# Altium PCB DAC_Sources.PcbDoc (part 3 of 9) (continued)
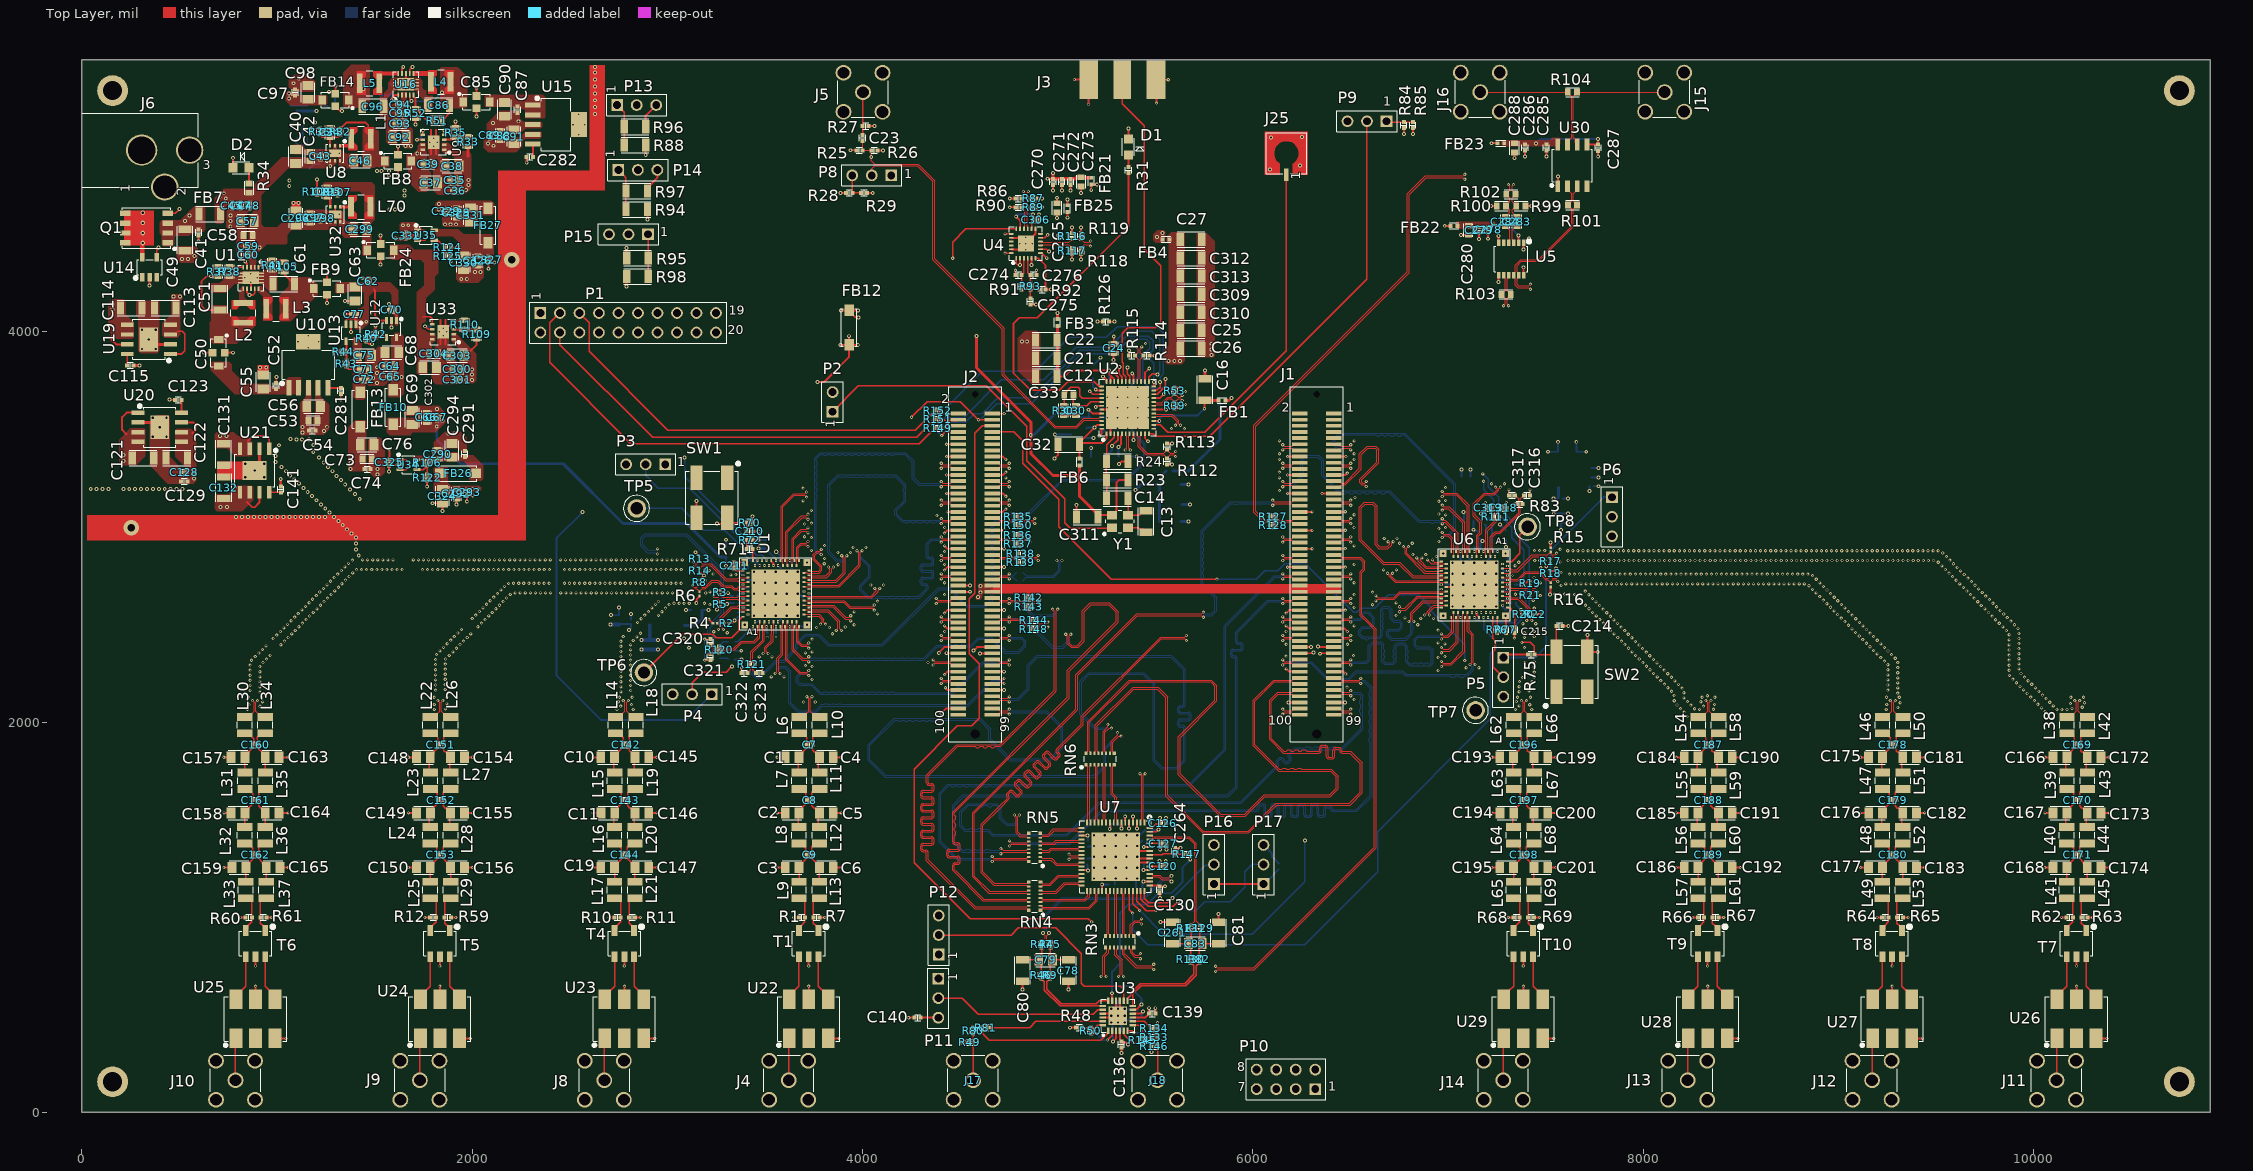
[diagram p0: Top Layer view]
## Nets (pads, with @x,y where several pads share a name; then routed paths per layer and width w, separated by ;. In a path a pad name is that pad's centre, name@x,y a point inside that pad or via, vN(x,y) a via of type N, cw(c..) or ccw(c..) an arc to the next point about the centre after c; other vN are vias at no path point) (continued)
  Bottom Layer w5: v1(4751.85,2129.81) 4760.35,2121.31 4795.68,2121.31 4845.47,2171.1 4845.47,2292.61 4895.13,2342.27 5582.59,2342.27 5654.39,2270.46 5654.39,2182.6 5654.39,2090.27 cw(c5640.39,2090.27) 5640.39,2076.27 5629.39,2076.27 ccw(c5629.39,2071.27) 5624.39,2071.27 5624.39,2056.27 ccw(c5629.39,2056.27) 5629.39,2051.27 5670.39,2051.27 cw(c5670.39,2037.27) 5684.39,2037.27 5684.39,2022.27 cw(c5670.39,2022.27) 5670.39,2008.27 5629.39,2008.27 ccw(c5629.39,2003.27) 5624.39,2003.27 5624.39,1988.27 ccw(c5629.39,1988.27) 5629.39,1983.27 5640.39,1983.27 cw(c5640.39,1969.27) 5654.39,1969.27 5654.39,1962.27 5654.39,1802.22 5612.76,1760.58 5531.8,1760.58 5489.43,1802.96 5489.43,2192.97 5460.17,2222.22 5437.15,2245.24 5162.95,2245.24 5123.43,2205.71 5123.43,2044.42 5195.67,1972.18 5253.73,1972.18 5257.21,1975.66 v1(5257.21,1987.68)
ADC_D2_N: J1.94 RN6.13 | length 3437.3
  Top Layer w5: RN6.13@5208.31,1840.55 5208.31,1845.47 5202.96,1850.81 5202.96,1981.97 5390.29,2169.29 5510.63,2169.29 5553.99,2125.93 5553.99,1621.47 5742.39,1433.07 5979.66,1433.07 6089.25,1542.67 6121.44,1574.86 6498.22,1574.86 6503.49,1580.13 6560.78,1637.43 6560.78,1791 6506.27,1845.52 6501,1850.79 6476.38,1850.79 6458.47,1850.79 cw(c6458.47,1855.79) 6453.47,1855.79 6453.47,1856.28 ccw(c6439.47,1856.28) 6439.47,1870.28 6424.47,1870.28 ccw(c6424.47,1856.28) 6410.47,1856.28 6410.47,1825.79 cw(c6405.47,1825.79) 6405.47,1820.79 6390.47,1820.79 cw(c6390.47,1825.79) 6385.47,1825.79 6385.47,1866.79 ccw(c6371.47,1866.79) 6371.47,1880.79 6356.47,1880.79 ccw(c6356.47,1866.79) 6342.47,1866.79 6342.47,1855.79 cw(c6337.47,1855.79) 6337.47,1850.79 6330.47,1850.79 6275.2,1850.79 6268.5,1857.48 6255.51,1857.48 6248.82,1850.79 6236.61,1850.79 6229.92,1857.48 6216.93,1857.48 6210.24,1850.79 6198.03,1850.79 6191.34,1857.48 6178.35,1857.48 6171.65,1850.79 6159.45,1850.79 6094.88,1915.35 6094.88,2108.27 6130.42,2143.81 6201.34,2143.81 6204.27,2140.88 6204.27,2139.9 6211.61,2132.56 J1.94@6241.14,2132.56
ADC_D2_P: J1.92 RN6.14 | length 3435.5
  Top Layer w5: RN6.14@5188.62,1840.55 5188.62,1845.47 5193.96,1850.81 5193.96,1985.7 5386.56,2178.29 5514.36,2178.29 5562.99,2129.66 5562.99,1625.2 5746.12,1442.07 5975.93,1442.07 6117.72,1583.86 6494.49,1583.86 6551.78,1641.16 6551.78,1787.27 6497.27,1841.79 6476.38,1841.79 6458.47,1841.79 cw(c6458.47,1855.79) 6444.47,1855.79 6444.47,1856.28 ccw(c6439.47,1856.28) 6439.47,1861.28 6424.47,1861.28 ccw(c6424.47,1856.28) 6419.47,1856.28 6419.47,1825.79 cw(c6405.47,1825.79) 6405.47,1811.79 6390.47,1811.79 cw(c6390.47,1825.79) 6376.47,1825.79 6376.47,1866.79 ccw(c6371.47,1866.79) 6371.47,1871.79 6356.47,1871.79 ccw(c6356.47,1866.79) 6351.47,1866.79 6351.47,1855.79 cw(c6337.47,1855.79) 6337.47,1841.79 6330.47,1841.79 6155.72,1841.79 6085.88,1911.63 6085.88,2112 6126.69,2152.81 6201.34,2152.81 6204.27,2155.74 6204.27,2156.71 6211.61,2164.06 J1.92@6241.14,2164.06
ADC_D3_N: J1.90 RN6.15 | length 3468.6
  Top Layer w5: RN6.15@5168.94,1840.55 5168.94,1845.47 5166.52,1847.89 5165.8,1847.89 5162.87,1850.82 5162.87,1998.57 5371.1,2206.8 5782.61,2206.8 5788.43,2200.98 5805.87,2183.54 5805.87,2112.49 5618.44,1925.07 5618.44,1731.74 5832.02,1518.17 5961.2,1518.17 6061.59,1618.56 6396.88,1618.56 6402.15,1623.83 6436.67,1658.35 6436.67,1723.91 6402.63,1757.95 6252.05,1757.95 6245.35,1764.65 6232.36,1764.65 6225.67,1757.95 6213.46,1757.95 6206.77,1764.65 6193.78,1764.65 6187.09,1757.95 6174.88,1757.95 6168.19,1764.65 6155.2,1764.65 6148.5,1757.95 6136.3,1757.95 6011.13,1883.13 6011.13,2107.7 6110.22,2206.8 6201.34,2206.8 6204.27,2203.87 6204.27,2202.89 6211.61,2195.55 J1.90@6241.14,2195.55
ADC_D3_P: J1.88 RN6.16 | length 3467.3
  Top Layer w5: RN6.16@5145.79,1840.55 5145.79,1842.03 5153.87,1850.11 5153.87,2002.3 5367.37,2215.8 5751.53,2215.8 5786.34,2215.8 5814.87,2187.27 5814.87,2108.76 5627.44,1921.34 5627.44,1735.47 5835.75,1527.17 5957.47,1527.17 6057.86,1627.56 6393.15,1627.56 6427.67,1662.07 6427.67,1720.19 6398.9,1748.95 6132.57,1748.95 6004.76,1876.76 6002.13,1879.4 6002.13,2111.43 6106.5,2215.8 6201.34,2215.8 6204.27,2218.73 6204.27,2219.7 6211.61,2227.05 J1.88@6241.14,2227.05
ADC_D4_N: J1.93 RN5.9 | length 3380.2
  Top Layer w5: v1(4804.17,1524.38) 4795.67,1515.88 4795.67,1437.33 4810.06,1422.94 4842.01,1422.94 4850.1,1431.02 RN5.9@4851.57,1431.02 ; J1.93@6414.37,2132.56 6443.9,2132.56 6451.24,2139.9 6451.24,2140.22 6454.83,2143.81 6493.35,2143.81 v1(6501.85,2135.31)
  Bottom Layer w5: v1@4806.17,1526.38 4795.67,1515.88 4795.67,1485.64 4780.55,1470.53 4738,1470.53 4715.68,1492.85 4702.02,1506.51 4702.02,1556.24 4698.82,1559.45 4684.25,1574.02 4666.98,1574.02 4660.63,1567.66 4645.33,1567.66 4638.98,1574.02 4621.71,1574.02 4615.35,1567.66 4600.06,1567.66 4593.7,1574.02 4544.49,1574.02 4508.27,1537.8 4508.27,1469.69 4527.17,1450.79 4544.43,1450.79 4550.79,1457.14 4566.09,1457.14 4572.44,1450.79 4589.71,1450.79 4596.06,1457.14 4611.36,1457.14 4617.72,1450.79 4644.46,1450.79 4668.48,1426.77 5046.06,1426.77 5211.97,1592.67 5937.95,1592.67 6068.31,1723.03 6121.92,1776.64 ccw(c6118.38,1780.18) 6121.92,1783.71 cw(c6131.82,1793.61) 6121.88,1803.47 6132.56,1814.16 cw(c6142.42,1804.22) 6152.32,1814.12 6170.06,1796.38 ccw(c6173.6,1799.92) 6177.13,1796.38 6187.74,1806.99 ccw(c6184.2,1810.52) 6187.74,1814.06 6183.46,1818.33 cw(c6193.34,1828.26) 6183.44,1838.16 6188.39,1843.11 6208.45,1863.18 6213.72,1868.45 6264.57,1868.45 6270.92,1874.8 6286.22,1874.8 6292.57,1868.45 6309.84,1868.45 6316.2,1874.8 6331.5,1874.8 6337.85,1868.45 6355.12,1868.45 6361.47,1874.8 6376.77,1874.8 6383.13,1868.45 6400.39,1868.45 6406.75,1874.8 6422.05,1874.8 6428.4,1868.45 6454.67,1868.45 6553.54,1967.32 6553.54,1998.53 6547.19,2004.89 6547.19,2020.19 6553.54,2026.54 6553.54,2043.81 6547.19,2050.16 6547.19,2065.46 6553.54,2071.81 6553.54,2089.08 6547.19,2095.44 6547.19,2110.74 6553.54,2117.09 6553.54,2134.36 6544.09,2143.81 6510.35,2143.81 v1(6501.85,2135.31)
ADC_D4_P: J1.91 RN5.10 | length 3381.9
  Top Layer w5: v1(4778.17,1524.38) 4786.67,1515.88 4786.67,1433.61 4806.34,1413.94 4841.3,1413.94 4844.23,1411.01 4844.23,1410.3 4846.65,1407.87 RN5.10@4851.57,1407.87 ; J1.91@6414.37,2164.06 6443.9,2164.06 6451.24,2156.71 6451.24,2155.74 6454.17,2152.81 6493.35,2152.81 v1(6501.85,2161.31)
  Bottom Layer w5: v1@4776.17,1526.38 4786.67,1515.88 4786.67,1489.37 4776.83,1479.53 4741.73,1479.53 4722.05,1499.21 4722.05,1499.83 4711.02,1510.85 4711.02,1559.97 4687.98,1583.02 4540.76,1583.02 4499.27,1541.52 4499.27,1465.96 4520.8,1444.42 4523.44,1441.79 4640.73,1441.79 4664.75,1417.77 5049.79,1417.77 5215.69,1583.67 5941.68,1583.67 6074.67,1716.67 6128.28,1770.28 ccw(c6118.38,1780.18) 6128.28,1790.08 cw(c6131.82,1793.61) 6128.28,1797.15 6138.89,1807.76 cw(c6142.42,1804.22) 6145.96,1807.76 6163.7,1790.02 ccw(c6173.6,1799.92) 6183.46,1789.98 6194.14,1800.66 ccw(c6184.2,1810.52) 6194.1,1820.42 6189.8,1824.73 cw(c6193.34,1828.26) 6189.8,1831.8 6194.75,1836.75 6217.45,1859.45 6458.4,1859.45 6461.03,1862.08 6562.54,1963.59 6562.54,2138.09 6547.82,2152.81 6510.35,2152.81 v1(6501.85,2161.31)
ADC_D5_N: J1.89 RN5.11 | length 3388.5
  Top Layer w5: v1(4753.54,1391.35) 4762.04,1382.85 4841.31,1382.85 4846.65,1388.19 RN5.11@4851.57,1388.19 ; J1.89@6414.37,2195.55 6443.9,2195.55 6451.24,2202.89 6451.24,2204 6454.17,2206.93 6544.65,2206.93 v1(6553.15,2198.43)
  Bottom Layer w5: v1(4753.54,1391.35) 4762.04,1382.85 5058.04,1382.85 5216.33,1541.13 5224.23,1549.04 5226.87,1551.67 6011.65,1551.67 6018.65,1551.67 ccw(c6018.65,1556.67) 6023.65,1556.67 6023.65,1567.67 cw(c6037.65,1567.67) 6037.65,1581.67 6052.65,1581.67 cw(c6052.65,1567.67) 6066.65,1567.67 6066.65,1526.67 ccw(c6071.65,1526.67) 6071.65,1521.67 6086.65,1521.67 ccw(c6086.65,1526.67) 6091.65,1526.67 6091.65,1567.67 cw(c6105.65,1567.67) 6105.65,1581.67 6120.65,1581.67 cw(c6120.65,1567.67) 6134.65,1567.67 6134.65,1526.67 ccw(c6139.65,1526.67) 6139.65,1521.67 6154.65,1521.67 ccw(c6154.65,1526.67) 6159.65,1526.67 6159.65,1567.67 cw(c6173.65,1567.67) 6173.65,1581.67 6188.65,1581.67 cw(c6188.65,1567.67) 6202.65,1567.67 6202.65,1526.67 ccw(c6207.65,1526.67) 6207.65,1521.67 6222.65,1521.67 ccw(c6222.65,1526.67) 6227.65,1526.67 6227.65,1567.67 cw(c6241.65,1567.67) 6241.65,1581.67 6256.65,1581.67 cw(c6256.65,1567.67) 6270.65,1567.67 6270.65,1526.67 ccw(c6275.65,1526.67) 6275.65,1521.67 6290.65,1521.67 ccw(c6290.65,1526.67) 6295.65,1526.67 6295.65,1567.67 cw(c6309.65,1567.67) 6309.65,1581.67 6324.65,1581.67 cw(c6324.65,1567.67) 6338.65,1567.67 6338.65,1527.88 ccw(c6343.65,1527.88) 6343.65,1522.88 6358.65,1522.88 ccw(c6358.65,1527.88) 6363.65,1527.88 6363.65,1556.67 cw(c6377.65,1556.67) 6377.65,1570.67 6392.65,1570.67 cw(c6392.65,1556.67) 6406.65,1556.67 ccw(c6411.65,1556.67) 6411.65,1551.67 6483.58,1551.67 6528.84,1551.67 6602.36,1625.2 6602.36,1894.11 6596.06,1900.41 6596.06,1915.37 6602.36,1921.67 6602.36,1940.8 6596.06,1947.1 6596.06,1962.06 6602.36,1968.36 6602.36,1987.49 6596.06,1993.79 6596.06,2008.75 6602.36,2015.05 6602.36,2034.18 6596.06,2040.48 6596.06,2055.44 6602.36,2061.74 6602.36,2080.87 6596.06,2087.17 6596.06,2102.13 6602.36,2108.43 6602.36,2127.56 6596.06,2133.86 6596.06,2148.82 6602.36,2155.12 6602.36,2174.25 6569.69,2206.93 6561.65,2206.93 v1(6553.15,2198.43)
ADC_D5_P: J1.87 RN5.12 | length 3386.8
  Top Layer w5: v1(4753.54,1365.35) 4762.04,1373.85 4841.31,1373.85 4846.65,1368.5 RN5.12@4851.57,1368.5 ; J1.87@6414.37,2227.05 6443.9,2227.05 6451.24,2219.7 6451.24,2218.85 6454.17,2215.93 6544.65,2215.93 v1(6553.15,2224.43)
  Bottom Layer w5: v1(4753.54,1365.35) 4762.04,1373.85 5061.77,1373.85 5230.6,1542.67 6011.65,1542.67 6018.65,1542.67 ccw(c6018.65,1556.67) 6032.65,1556.67 6032.65,1567.67 cw(c6037.65,1567.67) 6037.65,1572.67 6052.65,1572.67 cw(c6052.65,1567.67) 6057.65,1567.67 6057.65,1526.67 ccw(c6071.65,1526.67) 6071.65,1512.67 6086.65,1512.67 ccw(c6086.65,1526.67) 6100.65,1526.67 6100.65,1567.67 cw(c6105.65,1567.67) 6105.65,1572.67 6120.65,1572.67 cw(c6120.65,1567.67) 6125.65,1567.67 6125.65,1526.67 ccw(c6139.65,1526.67) 6139.65,1512.67 6154.65,1512.67 ccw(c6154.65,1526.67) 6168.65,1526.67 6168.65,1567.67 cw(c6173.65,1567.67) 6173.65,1572.67 6188.65,1572.67 cw(c6188.65,1567.67) 6193.65,1567.67 6193.65,1526.67 ccw(c6207.65,1526.67) 6207.65,1512.67 6222.65,1512.67 ccw(c6222.65,1526.67) 6236.65,1526.67 6236.65,1567.67 cw(c6241.65,1567.67) 6241.65,1572.67 6256.65,1572.67 cw(c6256.65,1567.67) 6261.65,1567.67 6261.65,1526.67 ccw(c6275.65,1526.67) 6275.65,1512.67 6290.65,1512.67 ccw(c6290.65,1526.67) 6304.65,1526.67 6304.65,1567.67 cw(c6309.65,1567.67) 6309.65,1572.67 6324.65,1572.67 cw(c6324.65,1567.67) 6329.65,1567.67 6329.65,1527.88 ccw(c6343.65,1527.88) 6343.65,1513.88 6358.65,1513.88 ccw(c6358.65,1527.88) 6372.65,1527.88 6372.65,1556.67 cw(c6377.65,1556.67) 6377.65,1561.67 6392.65,1561.67 cw(c6392.65,1556.67) 6397.65,1556.67 ccw(c6411.65,1556.67) 6411.65,1542.67 6483.58,1542.67 6532.57,1542.67 6611.36,1621.47 6611.36,2000.13 6611.36,2177.98 6573.41,2215.93 6561.65,2215.93 v1(6553.15,2224.43)
ADC_D6_N: J1.64 RN5.13 | length 3387.3
  Top Layer w5: v1(4709.45,1351.98) 4712.43,1351.98 4720.93,1343.48 4841.31,1343.48 4846.65,1348.82 RN5.13@4851.57,1348.82 ; v1(6153.66,2607.75) 6162.16,2616.25 6200.68,2616.25 6204.27,2612.66 6204.27,2612.34 6211.61,2605 J1.64@6241.14,2605
  Bottom Layer w5: v1(4709.45,1351.98) 4700.95,1343.48 4651.6,1343.48 4646.85,1348.23 4633.46,1348.23 4628.71,1343.48 4617.35,1343.48 4613.02,1347.81 4599.63,1347.81 4595.3,1343.48 4583.1,1343.48 4578.77,1347.81 4565.38,1347.81 4561.05,1343.48 4548.85,1343.48 4544.52,1347.81 4531.13,1347.81 4526.8,1343.48 4514.59,1343.48 4470.47,1387.6 4470.47,1399.8 4474.8,1404.13 4474.8,1417.52 4470.47,1421.85 4470.47,1434.05 4474.8,1438.39 4474.8,1451.77 4470.47,1456.1 4470.47,1468.31 4474.8,1472.64 4474.8,1486.02 4470.47,1490.35 4470.47,1502.56 4474.8,1506.89 4474.8,1520.28 4470.47,1524.61 4470.47,1569.75 4518.65,1617.93 5873.96,1617.93 5915.2,1659.17 5920.47,1664.44 5920.47,2187.4 5920.47,2326.08 ccw(c5906.47,2326.08) 5906.47,2340.08 5899.96,2340.08 cw(c5899.96,2345.08) 5894.96,2345.08 5894.96,2360.08 cw(c5899.96,2360.08) 5899.96,2365.08 5936.47,2365.08 ccw(c5936.47,2379.08) 5950.47,2379.08 5950.47,2394.08 ccw(c5936.47,2394.08) 5936.47,2408.08 5925.47,2408.08 cw(c5925.47,2413.08) 5920.47,2413.08 5920.47,2420.08 5920.47,2457.98 6078.74,2616.25 6145.16,2616.25 v1(6153.66,2607.75)
ADC_D6_P: J1.62 RN5.14 | length 3388.4
  Top Layer w5: v1(4709.45,1325.98) 4712.43,1325.98 4720.93,1334.48 4841.31,1334.48 4846.65,1329.13 RN5.14@4851.57,1329.13 ; v1(6153.66,2633.75) 6162.16,2625.25 6201.34,2625.25 6204.27,2628.18 6204.27,2629.15 6211.61,2636.5 J1.62@6241.14,2636.5
  Bottom Layer w5: v1(4709.45,1325.98) 4700.95,1334.48 4510.87,1334.48 4461.47,1383.87 4461.47,1573.48 4514.92,1626.93 5870.23,1626.93 5911.47,1668.17 5911.47,2187.4 5911.47,2326.08 ccw(c5906.47,2326.08) 5906.47,2331.08 5899.96,2331.08 cw(c5899.96,2345.08) 5885.96,2345.08 5885.96,2360.08 cw(c5899.96,2360.08) 5899.96,2374.08 5936.47,2374.08 ccw(c5936.47,2379.08) 5941.47,2379.08 5941.47,2394.08 ccw(c5936.47,2394.08) 5936.47,2399.08 5925.47,2399.08 cw(c5925.47,2413.08) 5911.47,2413.08 5911.47,2420.08 5911.47,2461.71 6075.01,2625.25 6145.16,2625.25 v1(6153.66,2633.75)
ADC_D7_N: J1.56 RN5.15 | length 3450.5
  Top Layer w5: v1(4665.18,1311.88) 4673.68,1303.38 4841.3,1303.38 4844.23,1306.31 4844.23,1307.03 4846.65,1309.45 RN5.15@4851.57,1309.45 ; v1(6153.66,2733.73) 6162.16,2742.23 6200.68,2742.23 6204.27,2738.64 6204.27,2738.33 6211.61,2730.98 J1.56@6241.14,2730.98
  Bottom Layer w5: v1(4665.18,1311.88) 4656.68,1303.38 4486.77,1303.38 4401.13,1389.03 4401.13,1633.13 4441.28,1673.28 4453.49,1673.28 4457.82,1668.95 4471.2,1668.95 4475.54,1673.28 4487.74,1673.28 4492.07,1668.95 4505.46,1668.95 4509.79,1673.28 4521.99,1673.28 4526.32,1668.95 4539.71,1668.95 4544.04,1673.28 4556.24,1673.28 4560.57,1668.95 4573.96,1668.95 4578.29,1673.28 4590.5,1673.28 4594.83,1668.95 4608.21,1668.95 4612.54,1673.28 4624.75,1673.28 4629.08,1668.95 4642.46,1668.95 4646.8,1673.28 4659,1673.28 4663.33,1668.95 4676.72,1668.95 4681.05,1673.28 4693.25,1673.28 4697.58,1668.95 4710.97,1668.95 4715.3,1673.28 5677.74,1673.28 5861.81,1857.35 5861.81,2489.87 6114.17,2742.23 6145.16,2742.23 v1(6153.66,2733.73)
ADC_D7_P: J1.54 RN5.16 | length 3452.5
  Top Layer w5: v1(4665.18,1285.88) 4673.68,1294.38 4842.01,1294.38 4850.1,1286.3 RN5.16@4851.57,1286.3 ; v1(6153.66,2759.73) 6162.16,2751.23 6201.34,2751.23 6204.27,2754.16 6204.27,2755.14 6211.61,2762.48 J1.54@6241.14,2762.48
  Bottom Layer w5: v1(4665.18,1285.88) 4656.68,1294.38 4483.05,1294.38 4392.13,1385.3 4392.13,1636.85 4437.56,1682.28 5674.02,1682.28 5852.81,1861.08 5852.81,2493.6 6110.45,2751.23 6145.16,2751.23 v1(6153.66,2759.73)
ADC_D8_N: J1.44 RN4.9 | length 3475.8
  Top Layer w5: RN4.9@4852.36,1180.63 4846.5,1174.76 4843.3,1174.76 4842.09,1173.56 4676.05,1173.56 4616.93,1232.68 4616.93,1472.05 4709.84,1564.96 4747.3,1602.42 ccw(c4737.4,1612.32) 4747.3,1622.22 cw(c4750.84,1625.75) 4747.3,1629.29 4757.91,1639.9 cw(c4761.44,1636.36) 4764.98,1639.9 4784.31,1620.56 ccw(c4794.21,1630.46) 4804.11,1620.56 4814.72,1631.17 ccw(c4804.82,1641.07) 4814.72,1650.97 4787.61,1678.08 cw(c4791.14,1681.62) 4787.61,1685.15 4798.21,1695.76 cw(c4801.75,1692.22) 4805.28,1695.76 4834.28,1666.77 ccw(c4844.17,1676.67) 4854.07,1666.77 4864.68,1677.37 ccw(c4854.78,1687.27) 4864.68,1697.17 4835.69,1726.16 cw(c4839.22,1729.7) 4835.69,1733.23 4846.3,1743.84 cw(c4849.83,1740.31) 4853.37,1743.84 4882.36,1714.85 ccw(c4892.26,1724.75) 4902.16,1714.85 4912.76,1725.46 ccw(c4902.86,1735.36) 4912.76,1745.25 4883.77,1774.25 cw(c4887.31,1777.78) 4883.77,1781.32 4894.38,1791.92 cw(c4897.91,1788.39) 4901.45,1791.92 4930.44,1762.93 ccw(c4940.34,1772.83) 4950.24,1762.93 4960.85,1773.54 ccw(c4950.95,1783.44) 4960.85,1793.34 4931.86,1822.33 cw(c4935.39,1825.87) 4931.86,1829.4 4942.46,1840.01 cw(c4946,1836.47) 4949.53,1840.01 4978.52,1811.02 ; 4978.53,1811.02 ccw(c4988.42,1820.92) 4998.32,1811.02 5008.93,1821.62 ccw(c4999.03,1831.52) 5008.93,1841.42 5001.15,1849.2 cw(c5004.69,1852.73) 5001.15,1856.27 5006.1,1861.22 5128.02,1983.14 5130.65,1985.77 5130.65,2026.19 5530.89,2426.43 5650.95,2426.43 v1(5659.45,2417.93) ; v1(6153.66,2922.71) 6162.16,2931.21 6200.68,2931.21 6204.27,2927.62 6204.27,2927.3 6211.61,2919.96 J1.44@6241.14,2919.96
  SIG_03 w4: v1(5659.45,2417.93) 5667.95,2426.43 5687.59,2426.43 5705.12,2443.97 5705.12,2774.02 5862.31,2931.21 5873.21,2931.21 5878.45,2925.97 5891.44,2925.97 5896.68,2931.21 5907.59,2931.21 5912.82,2925.97 5925.82,2925.97 5931.05,2931.21 5941.96,2931.21 5947.2,2925.97 5960.19,2925.97 5965.43,2931.21 5976.33,2931.21 5981.57,2925.97 5994.56,2925.97 5999.8,2931.21 6010.7,2931.21 6015.94,2925.97 6028.93,2925.97 6034.17,2931.21 6045.07,2931.21 6050.31,2925.97 6063.3,2925.97 6068.54,2931.21 6102.91,2931.21 6138.4,2931.21 6145.16,2931.21 v1(6153.66,2922.71)
ADC_D8_P: J1.42 RN4.10 | length 3481
  Top Layer w5: RN4.10@4852.36,1157.48 4847.44,1157.48 4845.02,1159.9 4845.02,1161.63 4842.09,1164.56 4672.32,1164.56 4607.93,1228.95 4607.93,1475.78 4703.48,1571.32 4740.94,1608.78 ccw(c4737.4,1612.32) 4740.94,1615.85 cw(c4750.84,1625.75) 4740.94,1635.65 4751.54,1646.26 cw(c4761.44,1636.36) 4771.34,1646.26 4790.68,1626.93 ccw(c4794.21,1630.46) 4797.75,1626.93 4808.35,1637.53 ccw(c4804.82,1641.07) 4808.35,1644.6 4781.24,1671.72 cw(c4791.14,1681.62) 4781.24,1691.51 4791.85,1702.12 cw(c4801.75,1692.22) 4811.65,1702.12 4840.64,1673.13 ccw(c4844.17,1676.67) 4847.71,1673.13 4858.32,1683.74 ccw(c4854.78,1687.27) 4858.32,1690.81 4829.33,1719.8 cw(c4839.22,1729.7) 4829.33,1739.6 4839.93,1750.2 cw(c4849.83,1740.31) 4859.73,1750.2 4888.72,1721.21 ccw(c4892.26,1724.75) 4895.79,1721.21 4906.4,1731.82 ccw(c4902.86,1735.36) 4906.4,1738.89 4877.41,1767.88 cw(c4887.31,1777.78) 4877.41,1787.68 4888.02,1798.29 cw(c4897.91,1788.39) 4907.81,1798.29 4936.81,1769.3 ccw(c4940.34,1772.83) 4943.88,1769.3 4954.48,1779.9 ccw(c4950.95,1783.44) 4954.48,1786.97 4925.49,1815.97 cw(c4935.39,1825.87) 4925.49,1835.76 4936.1,1846.37 cw(c4946,1836.47) 4955.9,1846.37 4984.89,1817.38 ccw(c4988.42,1820.92) 4991.96,1817.38 5002.57,1827.99 ccw(c4999.03,1831.52) 5002.57,1835.06 4994.82,1842.81 cw(c5004.69,1852.73) 4994.79,1862.63 4999.74,1867.58 5121.65,1989.5 5121.65,2029.92 5527.17,2435.43 5650.95,2435.43 v1(5659.45,2443.93) ; v1(6153.66,2948.71) 6162.16,2940.21 6201.34,2940.21 6204.27,2943.14 6204.27,2944.11 6211.61,2951.46 J1.42@6241.14,2951.46
  SIG_03 w4: v1(5659.45,2443.93) 5667.95,2435.43 5683.86,2435.43 5696.12,2447.69 5696.12,2777.74 5858.58,2940.21 6145.16,2940.21 v1(6153.66,2948.71)
ADC_D9_N: J1.32 RN4.11 | length 3451.2
  Top Layer w5: RN4.11@4852.36,1137.8 4847.44,1137.8 4842.1,1132.45 4651.8,1132.45 4572.83,1211.42 4572.83,1533.07 5102.7,2062.94 5102.7,2240.1 5408.66,2546.06 5737.96,2546.06 v1(5746.46,2537.56) ; v1(6102.36,3111.68) 6110.86,3120.19 6200.68,3120.19 6204.27,3116.59 6204.27,3116.28 6211.61,3108.94 J1.32@6241.14,3108.94
  Bottom Layer w5: v1(5746.46,2537.56) 5754.96,2546.06 5790.68,2546.06 5814.51,2569.89 5814.51,2641.13 5802.94,2652.7 5744.09,2711.55 5744.09,2737.01 5748.43,2741.34 5748.43,2754.72 5744.09,2759.06 5744.09,2771.26 5748.43,2775.59 5748.43,2788.98 5744.09,2793.31 5744.09,2805.51 5748.43,2809.84 5748.43,2823.23 5744.09,2827.56 5744.09,2839.76 5748.43,2844.09 5748.43,2857.48 5744.09,2861.81 5744.09,2874.02 5748.43,2878.35 5748.43,2891.73 5744.09,2896.06 5744.09,2908.27 5748.43,2912.6 5748.43,2925.98 5744.09,2930.32 5744.09,2942.52 5748.43,2946.85 5748.43,2960.24 5744.09,2964.57 5744.09,2976.77 5887.51,3120.18 5899.71,3120.18 5904.04,3115.85 5917.43,3115.85 5921.76,3120.18 6093.86,3120.18 v1(6102.36,3111.68)
ADC_D9_P: J1.30 RN4.12 | length 3452.7
  Top Layer w5: RN4.12@4852.36,1118.11 4847.44,1118.11 4842.1,1123.45 4648.07,1123.45 4566.47,1205.05 4563.83,1207.69 4563.83,1536.8 5093.7,2066.67 5093.7,2243.83 5404.93,2555.06 5737.96,2555.06 v1(5746.46,2563.56) ; v1(6102.36,3137.68) 6110.86,3129.19 6201.34,3129.19 6204.27,3132.11 6204.27,3133.09 6211.61,3140.43 J1.30@6241.14,3140.43
  Bottom Layer w5: v1(5746.46,2563.56) 5754.96,2555.06 5786.95,2555.06 5805.51,2573.62 5805.51,2637.4 5799.21,2643.7 5735.09,2707.82 5735.09,2980.5 5883.78,3129.18 6093.86,3129.18 v1(6102.36,3137.68)
ADC_D10_N: J2.69 R148.2 RN4.13 | length 3442.1
  Top Layer w5: J2.69@4664.37,2510.51 4693.9,2510.51 4701.24,2517.85 4701.24,2518.56 4704.44,2521.76 4743.35,2521.76 v1(4751.85,2513.26) 4760.35,2521.76 4803.87,2521.76 4830.52,2495.11 4842.09,2495.11 4849.96,2495.11 4852.89,2492.18 4852.89,2484.9 R148.2@4860.63,2477.17 ; RN4.13@4852.36,1098.43 4847.44,1098.43 4842.1,1093.08 4621.22,1093.08 4476.9,1237.4 4470.47,1243.83 4470.47,1265.7 cw(c4475.47,1265.7) 4475.47,1270.7 4486.47,1270.7 ccw(c4486.47,1284.7) 4500.47,1284.7 4500.47,1299.7 ccw(c4486.47,1299.7) 4486.47,1313.7 4445.47,1313.7 cw(c4445.47,1318.7) 4440.47,1318.7 4440.47,1333.7 cw(c4445.47,1333.7) 4445.47,1338.7 4486.47,1338.7 ccw(c4486.47,1352.7) 4500.47,1352.7 4500.47,1367.7 ccw(c4486.47,1367.7) 4486.47,1381.7 4475.47,1381.7 cw(c4475.47,1386.7) 4470.47,1386.7 4470.47,1393.7 4470.47,1419.16 4477.17,1425.85 4477.17,1438.06 4470.47,1444.75 4470.47,1457.74 4477.17,1464.44 4477.17,1476.64 4470.47,1483.34 4470.47,1496.33 4477.17,1503.02 4477.17,1515.22 4470.47,1521.92 4470.47,1534.91 5059.22,2123.65 5059.22,2261.45 5310.57,2512.81 5310.57,2565.93 5265.15,2611.36 5168.32,2611.36 5127.22,2570.26 5127.22,2418.56 5100.79,2392.13 5072.44,2392.13 5059.22,2405.35 5059.22,2441.89 v1(5067.72,2450.39)
  Bottom Layer w5: v1(4751.85,2513.26) 4760.35,2521.76 4827.45,2521.76 4970.02,2379.19 5028.14,2379.19 5059.22,2410.27 5059.22,2441.89 v1(5067.72,2450.39)
ADC_D10_P: J2.67 R144.2 RN4.14 | length 3425.6
  Top Layer w5: J2.67@4664.37,2542.01 4693.9,2542.01 4701.24,2534.66 4701.24,2533.8 4704.28,2530.76 4743.35,2530.76 v1(4751.85,2539.26) 4760.35,2530.76 4807.6,2530.76 4834.25,2504.11 4845.82,2504.11 4849.96,2504.11 4852.89,2507.04 4852.89,2514.31 R144.2@4860.63,2522.05 ; RN4.14@4852.36,1078.74 4847.44,1078.74 4842.1,1084.08 4617.49,1084.08 4464.17,1237.4 4461.47,1240.1 4461.47,1265.7 cw(c4475.47,1265.7) 4475.47,1279.7 4486.47,1279.7 ccw(c4486.47,1284.7) 4491.47,1284.7 4491.47,1299.7 ccw(c4486.47,1299.7) 4486.47,1304.7 4445.47,1304.7 cw(c4445.47,1318.7) 4431.47,1318.7 4431.47,1333.7 cw(c4445.47,1333.7) 4445.47,1347.7 4486.47,1347.7 ccw(c4486.47,1352.7) 4491.47,1352.7 4491.47,1367.7 ccw(c4486.47,1367.7) 4486.47,1372.7 4475.47,1372.7 cw(c4475.47,1386.7) 4461.47,1386.7 4461.47,1393.7 4461.47,1538.64 5050.22,2127.38 5050.22,2265.18 5301.57,2516.54 5301.57,2562.2 5261.42,2602.36 5172.05,2602.36 5136.22,2566.54 5136.22,2414.83 5104.52,2383.13 5068.71,2383.13 5050.22,2401.62 5050.22,2441.89 v1(5041.72,2450.39)
  Bottom Layer w5: v1(4751.85,2539.26) 4760.35,2530.76 4831.18,2530.76 4973.75,2388.19 5024.41,2388.19 5050.22,2414 5050.22,2441.89 v1(5041.72,2450.39)
ADC_D11_N: J2.63 R143.2 RN4.15 | length 3339
  Top Layer w5: J2.63@4664.37,2605 4693.9,2605 4701.24,2612.34 4701.24,2613.05 4704.44,2616.25 4743.35,2616.25 v1(4751.85,2607.75) 4760.35,2616.25 4788.48,2616.25 4795.14,2609.58 4813.97,2609.58 4824.77,2609.58 4827.7,2606.65 4827.7,2598.68 R143.2@4835.43,2590.94 ; RN4.15@4852.36,1059.05 4847.44,1059.05 4845.02,1056.63 4845.02,1055.92 4842.09,1052.99 4771.95,1052.99 4577.85,1052.99 4337.01,1293.83 4337.01,1306.3 4337.01,1330.85 ccw(c4323.01,1330.85) 4323.01,1344.85 4312.01,1344.85 cw(c4312.01,1349.85) 4307.01,1349.85 4307.01,1364.85 cw(c4312.01,1364.85) 4312.01,1369.85 4353.01,1369.85 ccw(c4353.01,1383.85) 4367.01,1383.85 4367.01,1398.85 ccw(c4353.01,1398.85) 4353.01,1412.85 4312.01,1412.85 cw(c4312.01,1417.85) 4307.01,1417.85 4307.01,1432.85 cw(c4312.01,1432.85) 4312.01,1437.85 4353.01,1437.85 ccw(c4353.01,1451.85) 4367.01,1451.85 4367.01,1466.85 ccw(c4353.01,1466.85) 4353.01,1480.85 4312.01,1480.85 cw(c4312.01,1485.85) 4307.01,1485.85 4307.01,1500.85 cw(c4312.01,1500.85) 4312.01,1505.85 4353.01,1505.85 ccw(c4353.01,1519.85) 4367.01,1519.85 4367.01,1534.85 ccw(c4353.01,1534.85) 4353.01,1548.85 4312.01,1548.85 cw(c4312.01,1553.85) 4307.01,1553.85 4307.01,1568.85 cw(c4312.01,1568.85) 4312.01,1573.85 4353.01,1573.85 ccw(c4353.01,1587.85) 4367.01,1587.85 4367.01,1602.85 ccw(c4353.01,1602.85) 4353.01,1616.85 4312.01,1616.85 cw(c4312.01,1621.85) 4307.01,1621.85 4307.01,1636.85 cw(c4312.01,1636.85) 4312.01,1641.85 4353.01,1641.85 ccw(c4353.01,1655.85) 4367.01,1655.85 4367.01,1670.85 ccw(c4353.01,1670.85) 4353.01,1684.85 4342.01,1684.85 cw(c4342.01,1689.85) 4337.01,1689.85 4337.01,1696.85 4337.01,1725.2 4487.4,1875.59 4576.77,1875.59 4583.46,1868.9 4596.46,1868.9 4603.15,1875.59 4615.35,1875.59 4622.05,1868.9 4635.04,1868.9 4641.73,1875.59 4653.94,1875.59 4660.63,1868.9 4673.62,1868.9 4680.32,1875.59 4708,1875.59 4986.8,2154.39 4992.07,2159.66 4992.07,2570.63 v1(5000.57,2579.13)
  Bottom Layer w5: v1(4751.85,2607.75) 4760.35,2616.25 4796.17,2616.25 4838.52,2573.9 4870.29,2542.13 4977.29,2542.13 4992.07,2556.9 4992.07,2570.63 v1(5000.57,2579.13)